# Altium PCB iMX53_BB_PCB_V1I2.PcbDoc (part 2 of 9) (continued)
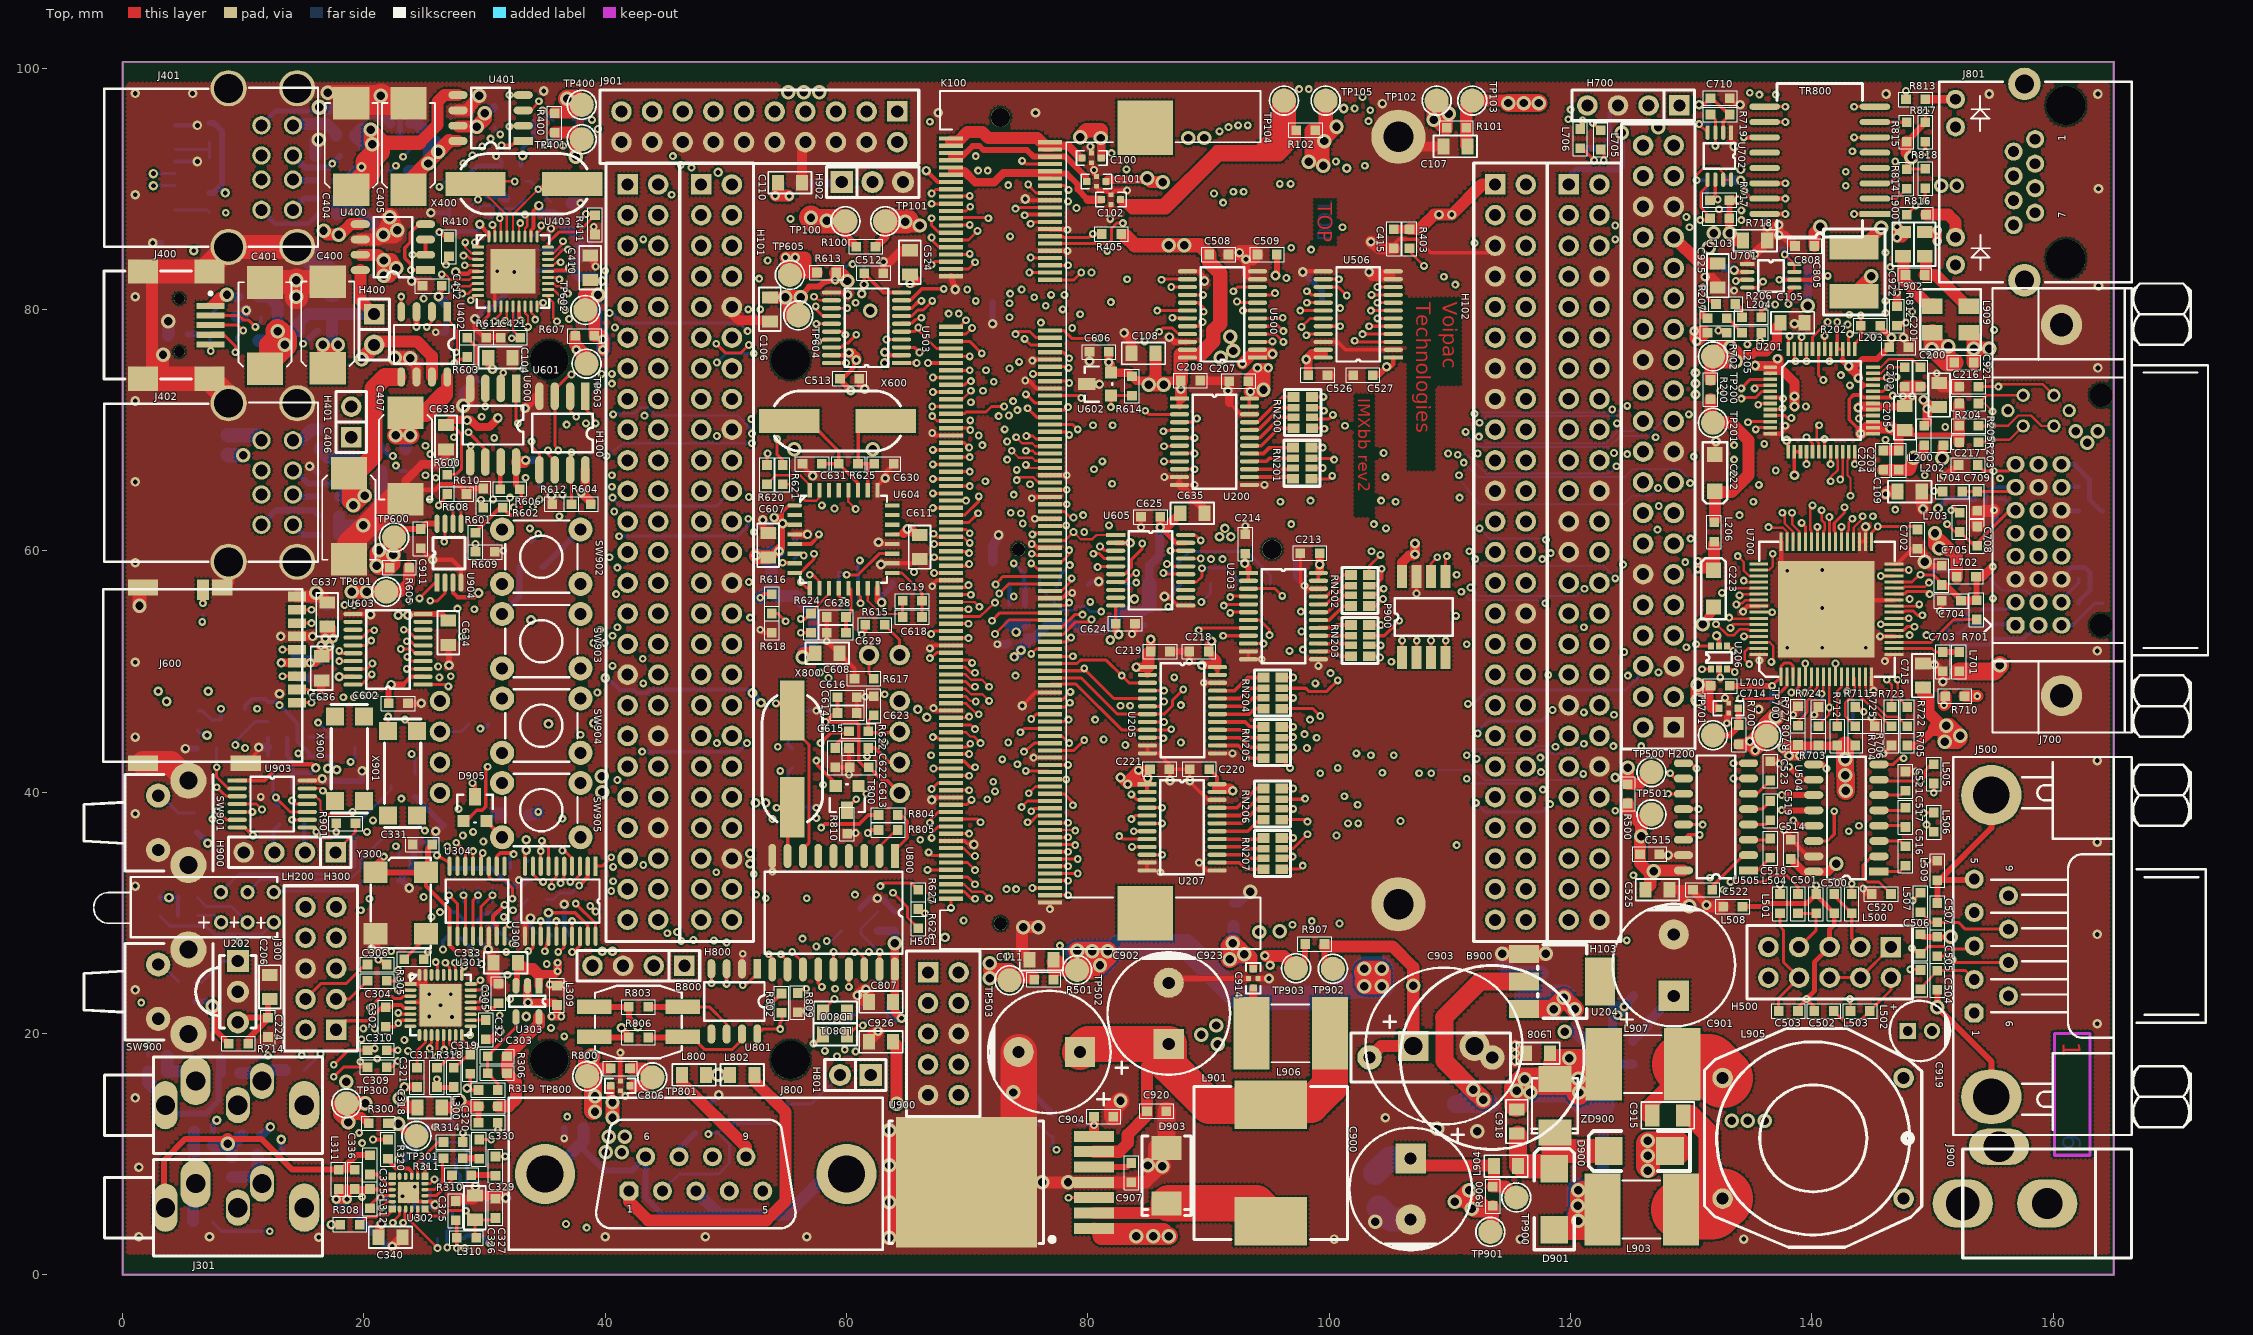
[diagram p0: Top view]
## Nets (pads, with @x,y where several pads share a name; then routed paths per layer and width w, separated by ;. In a path a pad name is that pad's centre, name@x,y a point inside that pad or via, vN(x,y) a via of type N, cw(c..) or ccw(c..) an arc to the next point about the centre after c; other vN are vias at no path point) (continued)
  Top w1.2: v3(19.8,75.85) 20.85,76.9 H400.2@20.85,77.06 ; v3(29.35,95.15) 30,95.8 v3(30,96.25) ; v3(64.85,87.25) 65.15,86.95 v3(66.05,86.95) ; v3(21.65,82.8) 22.1,82.8 22.515,83.247 v3(22.68,83.424) 22.25,84.05 v3(21.65,84.05) 21.65,83.424 v3(21.65,82.8)
  Top w1.5: v3(91.75,26.15) 91.75,26.55 v3@91.75,27.2 ; v3(92,27.45) 92.525,26.925 v3@92.9,26.55 ; v3@92.1,26.4 v3@92.5,26.8 ; U204.3@116.15,22.01 v3@118.6,22.01 ; v3(118.6,22) v3@118.6,22.01 ; v3(120.35,22) 119.475,22.875 119.45,22.9 v3(119.45,22.95) 119.425,22.925 118.6,22.1 v3@118.6,22.01
  Top w2: TP101.1@63.2,87.3 64.85,87.3 v3@65,87.3
  SignalH w0.5: v1(132.4,73.25) 132.65,73.25 133.8,74.4 138.55,74.4 140.1,72.85 143.6,72.85 145.95,75.2 146.95,75.2 147.25,74.9 v1(147,74.4)
  SignalV w0.35: 40.05,30.8 40.15,30.7 ; 42.8,15.7 43.5,16.4 ; 45.3,22.3 49.4,22.3 50.06,22.96 v1(50.06,24.098) 51.858,22.3 v1(53.6,22.3) ; H200.34@126.01,85.97 H200.34@126.01,86.34
  SignalV w0.5: v3@39.45,40.8 v3@39.5,40.85 ; 40.15,30.7 42.5,30.7 43.1,30.1 43.1,28.65 45.3,26.45 45.3,23.55 ; 42.7,23.75 42.75,23.8 42.75,27.45 ; 115,27.8 115,38.25 115.05,38.3 ; 117.45,63.7 115.5,63.7 115,63.2 115,38.35 115.05,38.3 ; 118.45,89.1 123.25,89.1 ; v2(123.7,41.2) 123.35,40.85 121.8,40.85 121.1,40.15 121.1,38.75 120.65,38.3 118.9,38.3 118.55,37.95 117.4,37.95 117.05,38.3 115.05,38.3 ; v2(130.45,77.35) 130.45,77.25 131.4,76.3 131.4,74.25 v1(132.4,73.25) ; v1(147,74.4) 148.65,74.4 150.55,72.5 150.55,71.15 150.1,70.7 150.1,68.5 149.7,68.1 149.7,67.2 150.15,66.75 150.15,66 149.3,65.15 149.3,64.6 150.4,63.5 v2(150.45,63.5)
  SignalV w0.7: 118.05,88.7 118.45,89.1
  SignalV w0.8: 115,27.8 119.088,23.712 v3@119.4,23.4 ; 130.05,84.7 130.05,78.95 130.25,78.75 v2(130.25,78.2) 130.45,78 v2(130.45,77.35)
  SignalV w1: 38.55,34.1 38.55,34.5 39.75,35.7 v3(39.75,40) v3@39.75,40.3 ; v3(90.65,20.65) 90.15,20.65 v3(89.4,19.9) v3(90.75,19.1) v3@90.74,20.651 ; 95.15,57.85 95.45,57.85 96.85,59.25 96.85,60.8 91.4,66.25 91.4,71.3 90.45,72.25 90.45,75.45 v3@90.7,75.7 ; H102.2@116.29,90.35 118.05,88.59 ; 117.45,63.7 118.05,64.3 118.05,88.59 ; 118.05,88.7 118.05,88.59 ; 119.088,23.712 119.088,22.95 119.088,22.488 v3(118.6,22) 119.45,22 v3(120.35,22) 120.35,22.05 v3(119.45,22.95) ; v3@119.4,22.95 v3@119.4,23.4 ; 123.25,89.1 H200.34@126.01,86.34 ; v3@90.7,75.7 v3(91,76) ; v3@90.7,75.7 90.7,76 v3@90.7,76.15 ; v3@90.7,76.15 v3(91,76) ; v3@90.7,76.15 v3@90.898,76.205 ; v3@90.7,76.15 90.7,76.6 ; 90.7,76.6 v3@90.898,76.205 ; 90.7,76.6 90.755,76.655 ; 90.755,76.655 v3@90.921,76.211 ; 90.755,76.655 91.3,77.2 91.329,77.234 91.368,77.277 v3(91.775,77.714) 92.141,76.579 92.15,76.55 92.057,76.524 90.94,76.216 v3@90.921,76.211 ; v3@90.898,76.205 v3(91,76) ; v3@90.898,76.205 v3@90.921,76.211 ; v3@90.921,76.211 v3(91,76)
  SignalV w1.2: v3(39.7,41.3) 39.7,40.05 v3(39.75,40) ; v3@39.75,40.05 v3@39.75,40.25 ; 39.918,28.582 40.5,28 41.05,28 41.25,27.8 41.65,27.8 42,27.45 42.75,27.45 43.8,27.45 ; v3(91,76) 91.6,76 92.1,76.5 v3@92.15,76.55 ; H200.33@128.78,85.97 130.05,84.7
  SignalV w1.5: 38.972,34.569 38.972,33.678 39.1,33.55 39.1,31.011 38.95,30.861 39.032,30.738 39.37,30.231 39.852,30.211 39.302,30.161 39.918,30.161 ; 39.918,28.582 39.918,30.1 39.918,30.161 ; 40.052,30.161 39.918,30.161 ; 44.504,19.354 47.309,16.55 v7(49.35,16.55) ; H200.34@126.01,85.97 H200.33@128.55,85.97 H200.33@128.78,85.97
  SignalV w2: v3(41.35,10.15) 40.3,10.15 v3(40.05,10.15) 40,10.2 40,11.1 40.05,11.1 40.3,11.1 41.35,11.1 41.6,11.1 41.775,11.275 43.5,13 43.5,16.4 43.5,18.35 45.3,20.15 45.3,21.4 ; 42.7,23.75 45.05,21.4 45.3,21.4 ; 45.3,23.55 45.3,22.3 45.3,21.4 ; v3(90.65,20.65) 90.4,20.9 89.85,21.45 89.85,30.9 ; 91.491,32.839 89.85,31.198 89.85,30.9 ; 93.7,33.55 93.7,34.75 ; 95.15,57.85 93.9,56.6 93.9,54.35 92.85,53.3 92.85,49.5 93.7,48.65 93.7,34.75 ; 89.85,30.9 93.7,34.75
  Power w0.35: v2(3.85,31.25) 3.9,31.3 6,31.3 ; v2(7.05,35.75) 7.4,35.4 7.4,32.7 6,31.3 ; v3(7.45,22.25) 8.3,23.1 8.3,27.4 6,29.7 6,31.3 ; v2(130.45,77.35) 130.76,77.882 130.8,77.95 132.8,79.95 134.806,79.95 136.156,81.3 139,81.3 139.65,80.65 v3(139.65,80.3)
  Power w0.4: 84.797,78.253 87.3,75.75
  Power w0.5: v2(7.05,35.75) 8.586,37.286 8.586,45.336 ; 20.8,44 21,44.2 24.3,44.2 24.75,43.75 27.85,43.75 27.9,43.7 ; 23.9,41.2 27.45,41.2 ; v1(36.05,25.85) 36.194,25.716 37.306,25.756 39.25,27.7 39.25,30.05 v1(39.2,30.1) ; H100.1@41.85,90.35 43.1,89.1 43.1,87 43.55,86.55 51.8,86.55 ; 43.12,89.08 H100.2@44.39,90.35 ; 74.2,82.4 74.8,82.4 75.25,81.95 75.628,81.95 ; v2(123.7,41.2) 123.7,42.85 124.032,43.182 124.55,43.7 124.55,48.35 125.35,49.15 129.2,49.15 129.9,49.85 129.9,50.4 130.7,51.2 131.25,51.2 132.3,52.25 132.3,52.7 v2@132.1,52.9
  Power w0.6: v3(66.05,86.95) 66.225,86.775 66.25,86.75 66.452,86.75 67.65,86.75 68.45,87.55
  Power w0.7: 79.757,81.193 81.2,79.75 83.3,79.75 84.797,78.253
  Power w0.8: v1(38.75,30.55) v1(39.2,30.1) ; v2(130.45,77.35) 130.25,77.55 v2(130.25,78.2) 130.95,78.2 131.05,78.3
  Power w0.9: 92.95,87.75 104.8,87.75
  Power w1: H400.2@20.55,77 20.85,77 H400.2@20.85,77.06 ; 21,84.05 v3(21.65,84.05) ; 51.8,86.55 52.389,85.961 55.839,85.961 56.536,85.264 56.536,85.175 60.442,85.175 62.534,87.268 63.008,87.255 63.136,87.251 63.577,87.239 ; 63.15,87.75 64.85,87.75 66,87.75 ; 65.15,85.7 66.225,86.775 v3@66.3,86.85 ; v3@66.459,86.742 66.452,86.75 66.162,87.056 66.009,87.218 65.985,87.219 v3(64.85,87.25) ; 68.45,87.55 68.45,89.35 69.487,90.388 71.988,90.388 72.925,91.325 78.925,91.325 81.7,88.55 85.9,88.55 86.8,87.65 92.85,87.65 92.95,87.75 ; 73.9,82.7 66.45,82.7 65,84.15 65,85.816 ; 75.628,82.2 78.75,82.2 79.757,81.193 ; 87.3,75.75 89.85,75.75 ; 89.25,75.7 89.8,75.7 ; 104.8,87.75 106.05,89 109.35,89 110.7,90.35 H102.1@113.75,90.35 H102.2@116.29,90.35 ; 104.9,21.3 105.3,20.9 ; 63.577,87.239 v3(64.85,87.25) ; 63.577,87.239 64.208,86.608 65,85.816 ; v3(64.85,87.25) 65,86.95 65,85.816 ; 89.8,75.7 89.85,75.75 ; 89.8,75.7 91,75.7 91.3,75.7 92.1,76.5 92.15,76.55 92.141,76.579 v3(91.775,77.714) 91.354,77.193 91.326,77.159 91.291,77.111 91.198,76.985 90.607,76.594 90.328,76.41 90.275,76.375 90.25,76.35 v3@90.591,76.191 ; 89.85,75.75 90.15,75.75 90.233,75.833 ; 89.85,75.75 90.233,75.833 ; 90.233,75.833 v3@90.591,76.191 ; 90.233,75.833 v3(91,76) ; v3@90.591,76.191 90.7,76.3 91.1,76.7 91.098,76.686 v3(91,76) ; v3@90.591,76.191 v3(91,76)
  Power w1.2: 21.3,92.3 24.15,95.15 ; 27.9,43.7 27.9,40.1 29.2,38.8 34.45,38.8 34.85,38.8 35.7,39.65 36.55,39.65 37.35,38.85 39,38.85 39.75,39.6 v3(39.75,40) ; 91.75,22.9 91.75,23 v3(91.75,26.15) 91.75,26.55 91.75,27.35 91.925,27.525 92,27.6 92.075,27.525 v3@92.9,26.7 ; 92.95,22.9 92.95,23 92.95,26.15 v3(92.95,26.55) v3@92.95,26.7
  Power w1.5: H400.2@20.15,77 18.7,78.45 18.7,81.1 20.006,82.406 ; 21.3,89.65 21.3,92.3 ; H100.1@41.85,90.35 43.15,90.35 ; 43.15,89.2 43.15,90.35 ; H100.2@44.39,90.35 43.15,90.35 ; 116.61,21.55 118.05,21.55 118.55,22.05 119.425,22.925 v3(119.45,22.95) ; 118.2,21 118.9,21.7 v3@119.18,21.98 ; 119.18,21.68 119.45,21.68 v3@120.35,21.68 ; v3@119.45,22.9 119.475,22.875 v3(120.35,22) ; 20.006,82.406 21.025,83.425 v3(21.65,84.05) 22.05,84.05 22.475,83.625 22.6,83.5 22.4,83.3 21.9,82.8 v3(21.65,82.8) 21.256,82.406 20.006,82.406
  Power w2: H400.2@20.15,77 H400.2@20.55,77 ; H400.2@20.85,77 20.25,76.4 20.25,75.85 20.25,75.35 19.85,74.95 19.8,74.95 6.9,74.95 3.15,71.2 3.15,61.4 4.6,59.95 4.6,53.1 5.45,52.25 5.45,47 7.05,45.4 14.45,45.4 15.85,44 20.8,44 21.1,44 ; 21,84.05 19.75,85.3 19.75,88.1 21.3,89.65 ; 21.05,43.95 23.85,41.15 ; 23.9,41.2 24.4,41.2 ; 24.15,95.15 v3(29.35,95.15) 29.35,95.25 v3@30,95.9 ; v3(41.35,10.15) 40.3,10.15 v3(40.05,10.15) 40,10.15 40,11.1 40.05,11.1 40.3,11.1 41.35,11.1 41.6,11.1 41.775,11.275 42.85,12.35 46.8,12.35 47.7,13.25 ; 46.35,13.25 47.7,13.25 ; v3@89.45,19.95 90.373,19.95 ; 90.032,19.487 90.097,19.422 ; 90.4,19.85 90.4,19.9 90.4,19.923 90.373,19.95 ; 90.6,19.85 90.6,19.9 90.6,19.95 ; v3@90.75,20.5 90.75,19.95 ; v3@90.855,19.419 v3(90.75,19.1) ; 103.95,21.35 118.234,21.35 ; 104.9,21.3 99.6,21.3 97.9,23 92.95,23 91.75,23 90.7,23 ; 47.7,13.25 52.05,13.25 52.85,14.05 63.6,14.05 63.925,14.375 63.999,14.449 64.224,14.224 65.848,12.6 78,12.6 83.1,17.7 83.1,20.15 84.6,21.65 87.85,21.65 88.262,22.062 ; 88.262,22.062 89.912,20.412 90.162,20.162 90.373,19.95 ; 88.262,22.062 89.2,23 90.7,23 ; 90.373,19.95 90.6,19.95 ; 90.6,19.95 90.6,20.65 90.6,22.9 90.7,23 ; 90.6,19.95 90.65,19.95 90.744,19.95 ; 90.744,19.95 90.744,19.91 v3(90.75,19.1) ; 90.744,19.95 90.75,19.95 ; v3(90.75,19.1) 90.75,19.9 90.75,19.95
  Bottom w0.35: R210.1@3.1,31.3 R210.1@3.15,31.25 ; v2(3.85,31.25) R209.1@4.6,31.25 R208.1@4.6,29.75 ; R903.2@6.25,45.1 6.65,44.7 v2(7,44.7) ; C801.2@50,25.25 50,24.158 v1(50.06,24.098) ; C211.2@115.688,23.05 C211.2@115.8,23.05 ; C212.2@117.4,23.05 C212.2@117.55,23.2 ; v2(132.1,52.95) 132.35,52.75 C215.2@132.35,51.95 ; v3@139.65,80.2 v3(139.65,80.3)
  Bottom w0.5: R210.1@3.15,31.25 v2(3.85,31.25) R209.1@4.6,31.25 ; R201.1@6,22.65 7.05,22.65 v3(7.45,22.25) ; R908.2@6.15,36.65 v2(7.05,35.75) ; v3(29.35,95.15) v3@29.35,95.35 ; R404.2@30.75,96.75 R404.2@30.85,96.75 ; v2(150.45,63.5) 151.25,64.3 B704.1@153.5,64.3
  Bottom w0.7: v3@29.35,95.35 30.125,96.125 R404.2@30.75,96.75 ; v3(139.65,80.3) R713.1@139.65,83.9
  Bottom w1: C334.2@33.685,38.073 33.8,38.15 34.15,38.15 v1(34.45,38.35) ; v3(92,27.45) 92.525,26.925 92.9,26.55 v3(92.95,26.55) 92.55,26.15 v3(91.75,26.15) 91.75,27.45 91.75,27.7 v3@92.05,28 ; v3@92.05,27.45 v3@92.05,28 ; C924.2@92.05,28.9 v3@92.05,28 ; C211.2@115.8,23.05 C212.2@117.4,23.05
  Bottom w1.5: v3@118.6,22.1 119.425,22.925 v3(119.45,22.95) ; v3@119.45,22.9 119.475,22.875 v3(120.35,22)
  Bottom w2: 116.5,23.05 118.6,23.05 v3@119.45,23.05
  other v3: 40.3,11.45 41.6,11.45 92.05,76.55
#CAN_CS_3V3: U503.13 U800.16 | length 60.5
  Top w0.2: U503.13@58.75,80.1 v1(60.05,80.1)
  Top w0.25: v1(60.65,26.75) 60.95,26.75 61.46,26.24 U800.16@61.46,25.3
  SignalV w0.15: v1(60.05,80.1) 58.5,78.55 58.5,66.174 60.2,64.474 60.2,59.05 59.4,58.25 59.4,56.737 58.9,56.238 58.9,54.15 59.5,53.55 59.5,50.2 59.85,49.85 59.85,47.824 60.15,47.524 60.15,42.9 59.594,42.344 59.594,40.956 59.8,40.75 59.8,39.6 59.35,39.15 59.35,36.25 58.8,35.7 58.8,28.6 v1(60.65,26.75)
#CAN_INT_3V3: U500.9 U800.12 | length 119.6
  Top w0.25: v1(55.5,26.75) 56.38,25.87 U800.12@56.38,25.3 ; U500.9@94.05,81.2 95.35,81.2 v1(95.5,81.35)
  SignalH w0.15: v1(95.5,81.35) 97.2,81.35 97.9,82.05 98.95,82.05 v1(100.9,80.1)
  SignalV w0.15: v1(52.3,61.55) 52.3,60.85 51.8,60.35 51.8,58.55 52.5,57.85 52.5,56.85 52.2,56.55 52.2,55.25 52.55,54.9 52.55,54.1 52.3,53.85 52.3,49.05 53.55,47.8 53.55,40.3 54.75,39.1 54.75,27.5 v1(55.5,26.75) ; v1(74.15,71.65) 75.9,69.9 75.9,64.05 75.05,63.2 75.05,62.7 v1(74.6,62.25) ; v1(100.9,80.1) 100.25,79.45 100.25,74.6 101.3,73.55 v1(101.3,70.35)
  Power w0.15: v1(52.3,61.55) 52.497,61.553 55.953,61.553 56.55,62.15 63.35,62.15 63.8,62.6 65.55,62.6 65.8,62.35 70.55,62.35 70.837,62.063 71.263,62.063 71.8,62.6 74.05,62.6 74.4,62.25 v1(74.6,62.25) ; v1(74.15,71.65) 74.55,71.25 83.7,71.25 83.9,71.05 85.95,71.05 87.05,69.95 90,69.95 90.4,69.55 100.5,69.55 v1(101.3,70.35) ; v1@74.625,62.225 v1@74.65,62.25
#EIM_CS0: H100.41 K100.161 | length 32.8
  Top w0.25: K100.161@68.65,42.55 69.75,42.55 70.25,42.05 v1(70.65,42.05)
  Power w0.15: H100.41@41.85,39.57 42.42,39.57 43.5,40.65 56.55,40.65 57.2,41.3 58.55,41.3 59.45,40.4 62.6,40.4 63.2,41 65.224,41 65.574,41.35 69.3,41.35 70,42.05 v1(70.65,42.05)
#EIM_CS1: H102.41 K100.162 | length 39.5
  Top w0.25: K100.162@76.85,42.25 v1(78.35,42.25)
  SignalH w0.15: v1(78.35,42.25) 78.924,42.25 79.683,41.491 81.924,39.25 83.876,39.25 84.476,39.85 84.826,39.85 87.524,39.85 87.974,39.4 96.33,39.4 96.5,39.57 97.12,39.57 97.9,40.35 100,40.35 100.25,40.6 101.1,40.6 101.9,39.8 113.52,39.8 H102.41@113.75,39.57
#EIM_CS4: H100.42 K100.163 | length 26
  Top w0.25: v1(67.2,41.95) K100.163@68.65,41.95
  SignalH w0.15: H100.42@44.39,39.57 45.77,40.95 51.1,40.95 52,40.05 58.9,40.05 59.604,40.754 63.104,40.754 63.7,41.35 66.3,41.35 66.9,41.95 v1(67.2,41.95)
#EIM_EB0: H101.41 K100.165 | length 25.2
  Top w0.25: K100.165@68.65,41.35 v1(70.15,41.35)
  SignalH w0.15: H101.41@47.95,39.57 49.03,40.65 50.95,40.65 51.85,39.75 59.1,39.75 59.798,40.448 63.248,40.448 63.85,41.05 66.424,41.05 66.724,41.35 v1(70.15,41.35)
#EIM_EB1: H103.41 K100.166 | length 45.6
  Top w0.25: K100.166@76.85,41.05 v1(78.2,41.05)
  SignalH w0.15: v1(78.2,41.05) 79.15,41.05 81.55,38.65 84.15,38.65 84.75,39.25 87.25,39.25 87.7,38.8 95.9,38.8 96.7,38 97.7,38 97.85,38.15 101.626,38.15 101.826,37.95 104.1,37.95 104.3,38.15 116.55,38.15 117.97,39.57 H103.41@119.85,39.57 ; H103.41@119.825,39.595 H103.41@119.85,39.62
#EIM_LBA: H103.42 K100.168 | length 55.9
  Top w0.25: v1(75.1,39.9) 75.65,40.45 K100.168@76.85,40.45
  SignalH w0.15: v1(74.15,42.3) 76.45,42.3 77,42.85 79.05,42.85 80.05,41.85 83.05,41.85 84.6,40.3 89.6,40.3 90.15,40.85 95.3,40.85 98.2,40.85 98.4,40.65 99.876,40.65 100.126,40.9 101.401,40.9 102.051,40.25 103.976,40.25 104.126,40.1 112.224,40.1 112.774,40.65 116.75,40.65 117.005,40.905 117.845,40.905 118.1,40.65 119.6,40.65 120.326,40.65 120.626,40.35 121.61,40.35 H103.42@122.39,39.57
  SignalV w0.15: v1(74.15,42.3) 74.15,40.85 v1(75.1,39.9)
#EIM_OE: H101.42 K100.167 | length 21.2
  Top w0.25: v1(67.05,40.25) 67.55,40.75 K100.167@68.65,40.75
  SignalH w0.15: H101.42@50.49,39.57 50.63,39.57 53.7,36.5 58.15,36.5 59.65,38 63.826,38 64.176,38.35 65.15,38.35 v1(67.05,40.25)
#EIM_RW: H100.43 K100.169 | length 33.1
  Top w0.25: K100.169@68.65,40.15 v1(70.15,40.15)
  SignalH w0.15: H100.43@41.85,37.03 43.27,38.45 51.3,38.45 51.326,38.45 53.726,36.05 62.3,36.05 63.558,37.308 64.3,38.05 65.274,38.05 65.524,38.3 68.3,38.3 v1(70.15,40.15)
#EIM_WAIT: H102.42 K100.164 | length 46
  Top w0.25: v1@74.9,41.75 76.75,41.75 K100.164@76.85,41.65
  SignalH w0.15: v1(74.85,41.75) 74.95,41.65 79.1,41.65 79.493,41.257 81.8,38.95 84,38.95 84.6,39.55 84.95,39.55 87.4,39.55 87.85,39.1 96.5,39.1 96.65,39.25 97.25,39.25 97.751,38.749 98.05,38.45 101.75,38.45 101.95,38.25 103.976,38.25 104.176,38.45 115.17,38.45 H102.42@116.29,39.57
#FM_INT: R320.1 U300.16 | length 35
  Top w0.25: v1(36.1,26.75) 36.6,27.1 U300.16@36.6,28.05
  Top w0.3: v1(20.75,11.2) R320.1@22,11.2
  SignalH w0.15: v1(21.1,17.9) 22.25,16.75 30.45,16.75 33.45,19.75 v1(36.6,19.75)
  SignalV w0.15: v1(20.75,11.2) 20.95,11.4 20.95,17.75 v1(21.1,17.9) v1@21.05,17.8 ; v1@35.9,26.85 v1(36.1,26.75) 36.137,26.713 36.137,26.613 36.65,26.1 36.65,24.85 37.35,24.15 37.35,21.85 36.95,21.45 36.95,20.1 v1(36.6,19.75)
#PENIRQ_3V3: U304.11 U500.10 | length 114.7
  Top w0.25: U304.11@30.35,33.85 30.35,33 30.65,32.7 31.65,32.7 32.3,32.05 v1(32.3,31.15) ; v1(92.05,81.5) 92.4,81.85 U500.10@94.05,81.85
  SignalH w0.15: v1(32.3,31.15) 32.55,31.4 40.1,31.4 v1(40.5,31.8) ; v1(76.5,80.3) 76.85,80.65 78.65,80.65 78.9,80.9 80.8,80.9 81.45,81.55 82.174,81.55 82.474,81.25 86.25,81.25 86.85,80.65 90.6,80.65 91.45,81.5 v1(92.05,81.5)
  SignalV w0.15: v1(40.5,31.8) 40.1,32.2 40.1,34.2 39.95,34.35 39.95,34.85 40.65,35.55 40.65,40.65 v1(41,41) ; v1(72.9,42.7) 72.9,42.8 74.05,43.95 74.05,44.5 73.15,45.4 73.15,51.65 73.35,51.85 73.35,53 73.2,53.15 73.2,54.6 74.742,56.142 74.742,57.542 76.05,58.85 76.05,62.074 76.25,62.274 76.25,72.2 76.448,72.398 76.448,77.498 76.712,77.762 76.712,80.088 v1(76.5,80.3)
  Power w0.15: v1(41,41) 56.35,41 56.984,41.634 58.716,41.634 59.45,40.9 62.1,40.9 62.5,41.3 65.1,41.3 66.3,42.5 70.3,42.5 70.5,42.7 v1(72.9,42.7)
#POR: C913.2 H103.4 K100.16 R908.1 SW901.1 | length 179
  Top w0.25: v1@75.05,90.3 75.7,89.65 K100.16@76.85,89.65
  SignalH w0.15: v2(2.95,48.35) v2(7.1,48.35) ; v1(8.55,88) 9.8,89.25 15.45,89.25 15.85,88.85 26,88.85 26.3,88.55 30.15,88.55 30.315,88.715 30.95,89.35 35.05,89.35 40.05,89.35 40.5,88.9 51.55,88.9 51.95,88.5 55.35,88.5 55.95,89.1 65.3,89.1 66.6,90.4 71.4,90.4 72.05,89.75 73.65,89.75 74.25,90.35 v1(75.05,90.35) 75.1,90.3 77.25,90.3 77.75,90.8 79.224,90.8 79.624,90.4 83.721,90.4 85.171,88.95 89.85,88.95 91.05,87.75 92.65,87.75 106.32,87.75 106.92,88.35 108.396,88.35 108.696,88.65 108.721,88.65 109.021,88.95 110.55,88.95 110.8,89.2 120.7,89.2 122.09,87.81 H103.4@122.39,87.81
  SignalV w0.15: SW901.1@2.95,39.7 v2(2.95,48.35) ; v2(7.1,48.35) 7.9,49.15 7.9,56.2 6.75,57.35 6.75,86.2 v1(8.55,88)
  Bottom w0.25: SW901.1@2.95,39.7 3.2,39.7 4.65,38.25 R908.1@5.95,38.25
#POWER_EN: R912.2 T901.1 U903.5 | length 105.7
  Top w0.25: U903.5@9.5,38.35 v1(10.752,38.35)
  SignalH w0.15: v1(10.752,38.35) 11.102,38 12.95,38 13.65,38.7 17.25,38.7 17.778,39.228 21.022,39.228 22.536,37.714 27.386,37.714 28.15,36.95 28.8,36.95 v1(29.05,36.7) ; v1(32.1,22.85) 32.8,23.55 34.924,23.55 35.074,23.4 52.85,23.4 55.3,25.85 64.45,25.85 65.154,26.554 70.754,26.554 71.15,26.95 77.4,26.95 v1(77.671,27.267)
  SignalV w0.15: v1(29.05,36.7) 28.75,36.4 28.75,35.588 28.25,35.087 28.25,32.5 28.8,31.95 28.8,29.426 30.005,28.221 30.95,27.276 30.95,24 v1(32.1,22.85) ; v1(77.4,10.35) 77.4,26.95 v1(77.671,27.267)
  Bottom w0.25: R912.2@75.35,13.5 75.35,13 76.9,11.45 T901.1@77.1,11.45 77.1,10.6 77.35,10.35 v1(77.4,10.35)
#RESET_IN: H100.5 K100.17 | length 32.3
  Top w0.15: K100.17@68.65,89.35 K100.17@68.7,89.4
  Top w0.25: K100.17@68.7,89.4 v1(70.2,89.4)
  SignalH w0.15: H100.5@41.85,85.27 41.85,85.55 43,86.7 51.2,86.7 51.25,86.75 51.326,86.75 52.38,87.804 55.046,87.804 v1(55.35,87.5) 56.5,88.45 66.4,88.45 66.65,88.2 69,88.2 v1(70.2,89.4)
  SignalV w0.15: H100.5@41.85,85.2 H100.5@41.85,85.27
#RESET_OUT: H101.4 K100.15 U506.14 | length 61.3
  Top w0.25: v1(67.05,89.6) 67.4,89.95 K100.15@68.65,89.95 ; U506.14@99.5,82.5 v1(100.8,82.5)
  SignalH w0.15: H101.4@50.49,87.81 50.88,88.2 55.55,88.2 56.15,88.8 65.6,88.8 65.957,89.157 66.4,89.6 v1(67.05,89.6) 67.05,89.65 67.5,90.1 71.276,90.1 71.926,89.45 74,89.45 74.35,89.8 77.35,89.8 78.05,90.5 79.1,90.5 80.3,89.3 84.397,89.3 85.047,88.65 89.726,88.65 90.926,87.45 100.35,87.45 101.05,86.75 v1@101.1,86.7
  SignalV w0.15: v1(100.8,82.5) 100.8,86.5 v1(101.1,86.8)
#RESET_OUT_3V3: H501.2 R410.2 R711.1 R820.2 U302.5 U506.10 | length 313.1
  Top w0.15: v1(26.8,83.7) R410.2@27.05,84.4
  Top w0.2: v1(21.45,5.55) 21.6,5.55 21.6,5.75 21.9,6.05 U302.5@22.35,6.05
  Top w0.25: v1(104,81.85) U506.10@105.3,81.85 ; R711.1@143.6,47.05 143.9,47.05 v1(144.3,46.65)
  SignalH w0.15: v1(20.45,31.15) 24.8,31.15 v1(24.95,31.3) ; v1(20.9,20.4) 20.9,20.3 24.4,20.3 24.875,20.775 34.125,20.775 35.3,21.95 52.324,21.95 52.884,22.51 53.424,23.05 58.4,23.05 v1(59.05,23.7) 59.788,24.438 63.25,24.438 63.988,23.7 67.75,23.7 69.1,25.05 H501.2@69.29,25.05 ; v1(23.75,55.85) 23.95,55.85 24.55,55.25 v1@27.7,55.25 ; v1(69.7,29.35) 71.15,27.9 76.2,27.9 76.9,28.6 89.301,28.6 90.701,30 99.95,30 v1(100.85,29.1) 102.7,27.25 109.374,27.25 109.824,27.7 v1(124.65,27.7) ; v1(101.55,37.4) 102.15,36.8 103.05,36.8 103.85,37.6 v1(105.9,37.6) ; v1(125.85,43.8) 132.95,43.8 134.1,44.95 142.6,44.95 v1(144.3,46.65)
  SignalV w0.15: v1(20.45,31.15) 21.45,30.15 21.45,26.8 21.95,26.3 21.95,25.6 21.65,25.3 21.65,21.676 21.45,21.476 21.45,20.35 ; v1@20.85,20.35 20.9,20.35 21.45,20.35 ; v1(21.45,5.55) 21.3,5.4 20.85,5.85 20.85,6.65 21.3,7.1 21.3,15.9 21.65,16.25 21.65,19.2 21.45,19.4 21.45,20.35 ; v1(23.75,55.85) 23.8,55.9 23.8,58.35 24.489,59.039 24.489,68.989 24.7,69.2 24.7,71.35 25.1,71.75 25.1,76.7 23.781,78.019 23.781,78.881 25.5,80.6 25.5,82.75 26.45,83.7 v1(26.8,83.7) ; v1(24.95,31.3) 24.95,34.85 26.578,36.478 26.578,38.578 27.4,39.4 27.4,40.596 27.542,40.738 27.85,41.046 27.85,44.149 28.15,44.449 28.15,52.15 28.653,52.653 28.653,53.247 27.75,54.15 v1(27.75,55.2) ; v1(58.35,27.65) 58.35,26.4 59.05,25.7 v1(59.05,23.7) ; H501.2@69.29,25.05 69.29,28.94 v1(69.7,29.35) ; v1(100.85,29.1) 101.55,29.8 v1(101.55,37.4) ; v1(104,81.85) 105.425,80.425 105.425,67.875 104.1,66.55 104.1,65.65 102.95,64.5 102.95,51.618 105.9,48.668 v1(105.9,37.6) ; v1(124.65,27.7) 124.65,37.15 125.9,38.4 125.9,43.75 v1(125.85,43.8)
  Bottom w0.25: v1(58.35,27.65) 58.75,27.65 R820.2@59.6,28.5
#TOUCH_CS_3V3: U304.15 U503.12 | length 82.8
  Top w0.15: v1(26.9,35.5) 27.75,34.65 U304.15@27.75,33.85
  Top w0.2: v1(57.3,81.05) 57.75,80.75 U503.12@58.75,80.75 ; U503.12@58.761,80.802 U503.12@59,80.75
  SignalV w0.15: v1(26.9,35.5) 26.95,35.95 27.187,36.187 27.187,37.937 v1(27.85,38.6) ; v1(57.3,81.05) 57.55,81.05 58.2,80.4 58.2,66.05 59.9,64.35 59.9,59.3 59.1,58.5 59.1,57 58.6,56.5 58.6,54 59.2,53.4 59.2,50 59.5,49.7 59.5,47.75 59.85,47.4 59.85,43.8 59.277,43.227 59.277,41.827 v1(58.05,40.6)
  Power w0.15: v1(27.85,38.6) 28.65,37.8 35.35,37.8 35.9,38.35 36.683,38.35 37.008,38.025 37.025,38.025 37.2,37.85 40.6,37.85 41.2,38.45 50.9,38.45 52.7,40.25 57.7,40.25 v1(58.05,40.6)
#USBH1_OC: H102.8 K100.28 R405.2 | length 43
  Top w0.25: K100.28@76.85,86.05 77.9,86.05 78,85.95 80.1,85.95 v1(80.4,86.25) R405.2@81.15,86.25
  SignalH w0.15: v1(80.4,86.25) 80.75,86.6 83.2,86.6 83.45,86.85 88.879,86.85 89.803,85.926 90.079,85.65 98.65,85.65 99.65,84.65 105.5,84.65 106,84.65 107.6,83.05 109,83.05 109.8,83.85 115.17,83.85 H102.8@116.29,82.73
#USBO_OC: H102.10 K100.36 R401.2 U400.2 U400.3 | length 108.7
  Top w0.15: K100.36@76.8,83.65 K100.36@76.85,83.65
  Top w0.2: v1(24.02,84.52) U400.2@25.1,84.52
  Top w0.25: K100.36@76.9,83.65 v1(78.35,83.65)
  Top w0.3: U400.2@25.1,84.52 U400.3@25.1,85.79
  SignalH w0.15: v1(24.95,80.9) 27.7,78.15 32.45,78.15 32.5,78.15 32.65,78 33.851,78 35.801,79.95 v1(36.65,79.95) ; v1(51.85,80) 52.6,80.65 53.562,81.612 54.4,82.45 57.7,82.45 59,83.75 v1(60.5,83.75) 61.25,83.75 62.45,82.55 63.5,82.55 64.05,83.1 66.2,83.1 66.45,82.85 70.6,82.85 71.4,83.65 v1(78.35,83.65) 78.655,83.955 90.921,83.955 91.726,83.15 93.55,83.15 93.8,83.4 94.45,84.05 105.701,84.05 108.082,81.669 110.651,79.1 115.2,79.1 H102.10@116.29,80.19
  SignalV w0.15: v1(24.02,84.52) 24.95,83.59 v1(24.95,80.9)
  Power w0.15: v1(36.65,79.95) 38.35,79.95 39.25,79.05 50.9,79.05 v1(51.85,80)
  Bottom w0.2: v1(24.02,84.52) v1@24.05,84.55
  Bottom w0.25: R401.2@59.85,83.5 v1(60.5,83.75)
BIAS: H200.27 RN206.5 U201.11 U700.2 | length 91.1
  Top w0.25: RN206.5@96.062,37.705 98.045,37.705 v1(98.2,37.55) ; v1(134.05,47.75) 136.9,47.75 137.95,48.8 U700.2@137.95,49.55 ; v1(135.35,70.05) 135.5,70.2 U201.11@136.55,70.2
  SignalH w0.15: v1(123.6,46.4) 123.65,46.45 132.25,46.45 133.55,47.75 v1(134.05,47.75) v1@134.15,47.65 ; H200.27@128.55,78.36 129.09,78.9 130.5,78.9 131.713,77.688 134.141,77.688 v1(134.65,77.1)
  SignalV w0.15: v1(98.2,37.55) 98.55,37.9 98.55,40.1 98.3,40.35 98.3,41.8 98.75,42.25 98.75,44.45 v1(98.95,44.5) ; v1(134.05,47.75) 134.15,47.85 134.15,52.3 133.8,52.65 133.8,54.6 133.15,55.25 133.15,58.049 134.55,59.449 134.55,63.2 134.3,63.45 134.3,64.426 135.05,65.176 135.05,69.75 v1(135.35,70.05) 135.35,70.8 134.7,71.45 134.7,74.75 134.55,74.9 134.55,77 v1(134.65,77.1)
  Power w0.15: v1(98.95,44.5) 99.5,45.05 100.074,45.05 100.774,45.75 122.95,45.75 v1(123.6,46.4)
BOOTMODE: H103.2 H902.2 K100.8 | length 69
  Top w0.25: v1(74.55,92.3) 74.85,92.05 K100.8@76.85,92.05
  SignalH w0.15: H902.2@62.14,90.55 63.29,89.4 65.176,89.4 66.476,90.7 68.25,90.7 69.674,92.124 70.924,92.124 71.308,92.508 74.342,92.508 v1(74.55,92.3) ; v1@74.544,92.294 v1(74.55,92.3) ; v1(81.95,92.95) 81.55,92.55 74.8,92.55 v1(74.55,92.3) ; v1(83.2,91.6) 83.2,91.346 85.079,89.467 85.296,89.25 89.99,89.25 91.19,88.05 92.3,88.05 106.196,88.05 106.796,88.65 108.271,88.65 108.571,88.95 108.597,88.95 108.897,89.25 110.4,89.25 112.8,91.65 120.9,91.65 122.2,90.35 H103.2@122.39,90.35
  SignalV w0.15: v1(81.95,92.95) 82.95,91.95 v1(83.2,91.6)
CAN_H: B800.4 R806.1 U801.7 | length 9
  Top w0.25: B800.4@46.425,19.7 47.2,19.7 48.25,18.65 50.5,18.65 51.33,19.48 U801.7@51.33,19.95
  Top w0.5: R806.1@43.55,19.65 46.375,19.65 B800.4@46.425,19.7
CAN_L: B800.1 R803.1 U801.6 | length 8
  Top w0.25: B800.1@46.425,22.2 48.624,22.2 50.054,20.77 50.054,19.956 U801.6@50.06,19.95
  Top w0.5: R803.1@43.55,22.2 B800.1@46.425,22.2 B800.1@46.5,22.2
CANRS: LD800.2 T800.1 U800.11 | length 34.5
  Top w0.25: v1(54.55,26.55) 55.11,25.99 U800.11@55.11,25.3 ; v1(57.25,19.15) LD800.2@58,19.9
  Top w0.3: T800.1@61,40.5 61,40.35 61.65,39.934 v1(61.65,39.85)
  SignalH w0.15: v1(54.55,26.55) 54.9,26.2 61.3,26.2 v1(61.85,26.75)
  SignalV w0.15: v1(54.55,26.55) 55.395,25.705 55.395,24.167 57.6,21.962 57.6,19.5 v1(57.25,19.15) ; v1(61.65,39.85) 61.65,39.469 60.1,37.919 60.1,31.7 60.1,28.55 61.8,26.85 v1(61.85,26.75)
CASE_GND: C805.2 C808.1 J801.13 J801.14 | length 42.4
  Top w1: C808.1@140.2,85.25 140.2,86.35 v3(140.7,86.85) ; C805.2@143.5,81.068 143.5,81.35 v3(144.9,82.75)
  GND w1: v3(140.7,86.85) 141.95,86.85 144.9,83.9 v3(144.9,82.75) 145.15,82.5 150.1,82.5 150.6,82 157.19,82 J801.14@157.61,82.42 154.85,85.18 154.85,94.85 157.61,97.61 J801.13@157.61,98.68
CCLK: R622.1 U604.10 | length 20.1
  Top w0.25: v1(56.95,58) 57.2,58 57.75,57.45 U604.10@57.75,56.9
  Top w0.3: v1(57.85,44.05) 58.7,44.9 R622.1@60.2,44.9
  SignalV w0.15: v1(56.95,58) 56.791,57.841 56.791,56.691 55.55,55.45 55.55,53.95 55.2,53.6 55.2,49.8 56.9,48.1 56.9,45 v1(57.85,44.05)
CIO: R623.1 U604.7 | length 41
  Top w0.25: v1(54.7,59) 55.65,59 U604.7@55.7,58.95
  SignalH w0.15: v1(29.15,55.15) 29.95,55.15 30.8,56 40.5,56 v1(40.9,56.4)
  SignalV w0.15: v1(29.15,55.15) 29.3,55 29.3,53.974 29.75,53.524 29.75,52.25 29.414,51.914 29.414,45.486 v1(29.65,45.25) ; v1(40.9,56.4) 40.7,56.3 40.7,56.4 40.7,58.3 v1(41,58.6)
  Power w0.15: v1(41,58.6) 41.15,58.75 54.35,58.75 v1(54.7,59)
  Bottom w0.3: v1(29.65,45.25) 30.3,45.5 R623.1@30.3,45.65
CPRES: J601.9 R615.1 U604.8 | length 21.8
  Top w0.25: U604.8@55.7,58.15 56.15,58.15 56.785,58.785 57.3,59.3 v1(57.3,59.75) ; R615.1@63.15,53.85 64.4,52.6 J601.9@64.4,51.35
  SignalH w0.15: v1@57.55,59.7 57.65,59.8 59.65,59.8 61.35,58.1 65.5,58.1 v1(65.586,58.233)
  SignalV w0.15: J601.9@64.4,51.35 64.4,57.047 v1(65.586,58.233)
CRST: C622.2 J601.2 U604.12 | length 18.8
  Top w0.25: U604.12@59.35,56.9 59.35,56.25 v1(59.75,55.85)
  Top w0.3: v1(61.7,42.95) 61.8,43.05 C622.2@61.8,43.65 62.35,43.65 63.54,42.46 J601.2@64.4,42.46
  SignalV w0.15: v1(59.75,55.85) 59.848,55.752 59.848,54.05 60.1,53.799 60.1,50.5 60.45,50.15 60.45,48.073 60.75,47.773 60.75,43.9 v1(61.7,42.95)
CSI1_D0: H101.26 K100.103 | length 22.3
  Top w0.25: K100.103@68.65,59.95 70,59.95 v1(70.15,59.8)
  SignalH w0.15: H101.26@50.49,59.88 50.91,60.3 53.849,60.3 54.149,60.6 56.1,60.6 56.35,60.35 61.326,60.35 61.913,59.762 64.037,59.762 64.524,60.25 66.3,60.25 66.55,60 69.95,60 v1(70.15,59.8)
CSI1_D1: H103.26 K100.104 | length 52.8
  Top w0.25: v1(75.35,59.75) 75.45,59.9 75.475,59.875 75.75,59.6 76.85,59.6 K100.104@76.9,59.6
  Power w0.15: v1(75.35,59.75) 76.6,59.75 77.5,60.65 78.75,60.65 79.275,60.125 80.2,59.2 81.3,59.2 81.75,58.75 84.226,58.75 85.697,57.279 90.471,57.279 90.8,56.95 96.5,56.95 96.9,56.55 99.8,56.55 101.1,57.85 109.35,57.85 109.85,57.35 111.1,57.35 112.2,58.45 114.726,58.45 115.026,58.75 121.21,58.75 H103.26@122.34,59.88 ; H103.26@122.22,59.88 H103.26@122.34,59.88 ; H103.26@122.39,59.88 H103.26@122.34,59.88 ; H103.26@122.39,59.93 122.365,59.905 H103.26@122.34,59.88
CSI1_D2: H100.27 K100.105 | length 28
  Top w0.25: v1(67.25,59.45) 67.35,59.35 K100.105@68.65,59.35
  Power w0.15: H100.27@41.85,57.34 42.64,57.34 43.75,58.45 55.45,58.45 55.6,58.6 57.9,58.6 59.15,59.85 61.976,59.85 62.126,59.7 67,59.7 v1(67.25,59.45)